# Altium PCB LoadWrover_HRD.PcbDoc
Units mm, origin at the board's own origin, x right, y up, seen from the top; angles counter-clockwise.
Board outline 62.7 x 50.9 mm, 2 copper layers (Top Layer, Bottom Layer); 77 components, 50 nets, 252 pads, 57 vias.
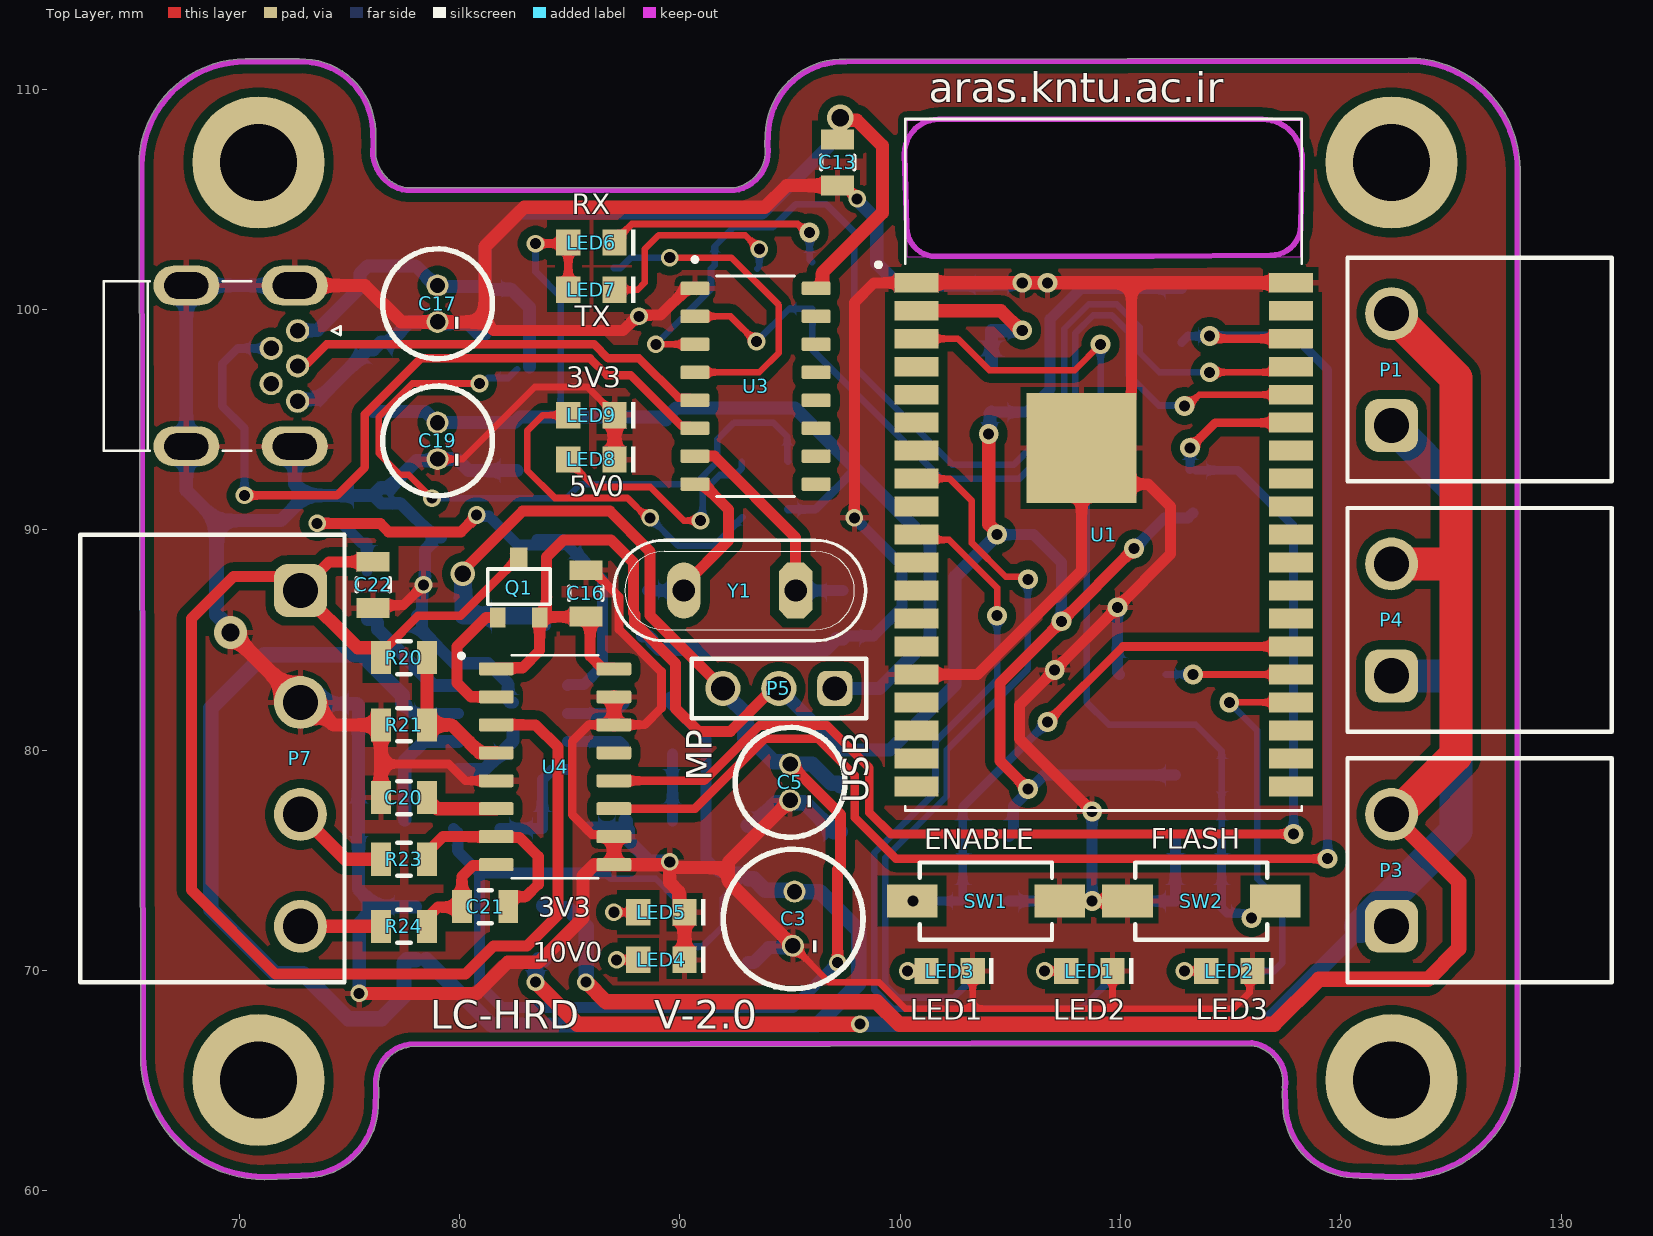
[diagram p0: Top Layer view]
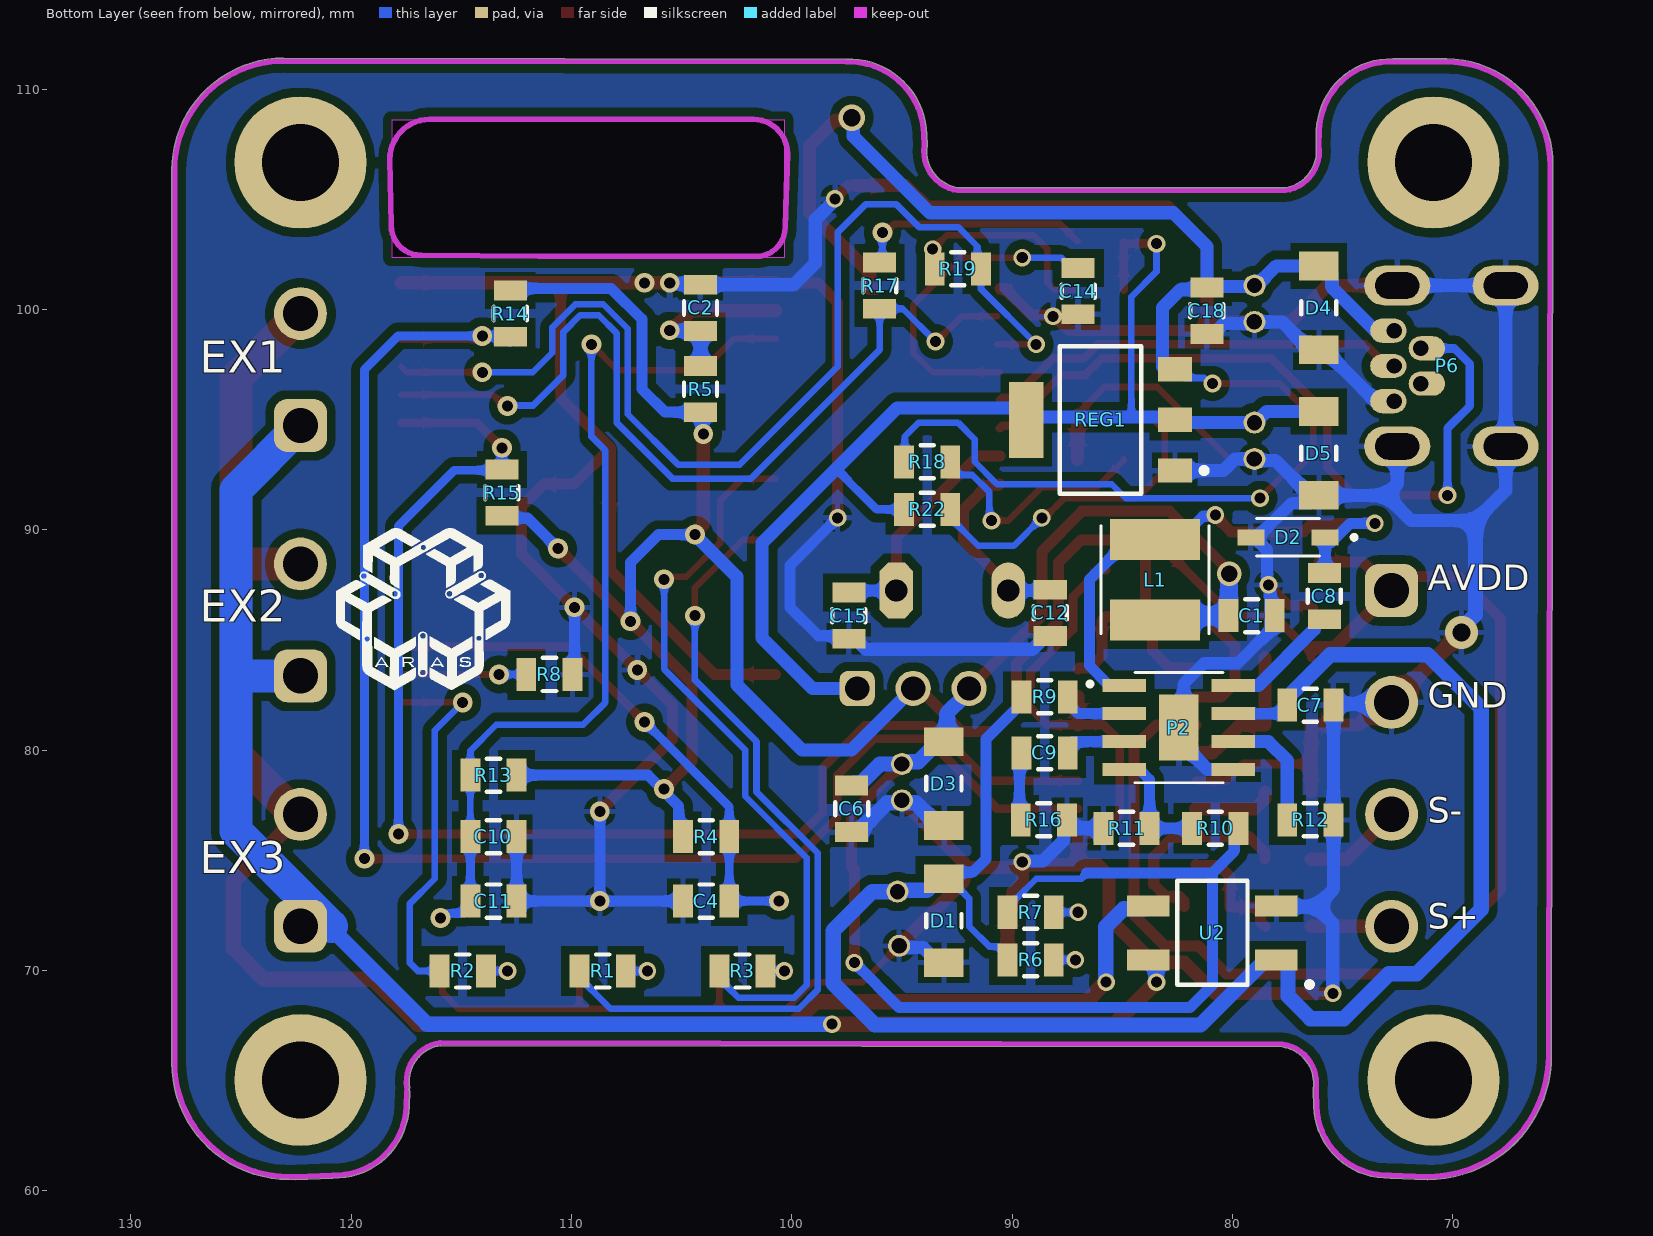
[diagram p1: Bottom Layer view, seen from below]
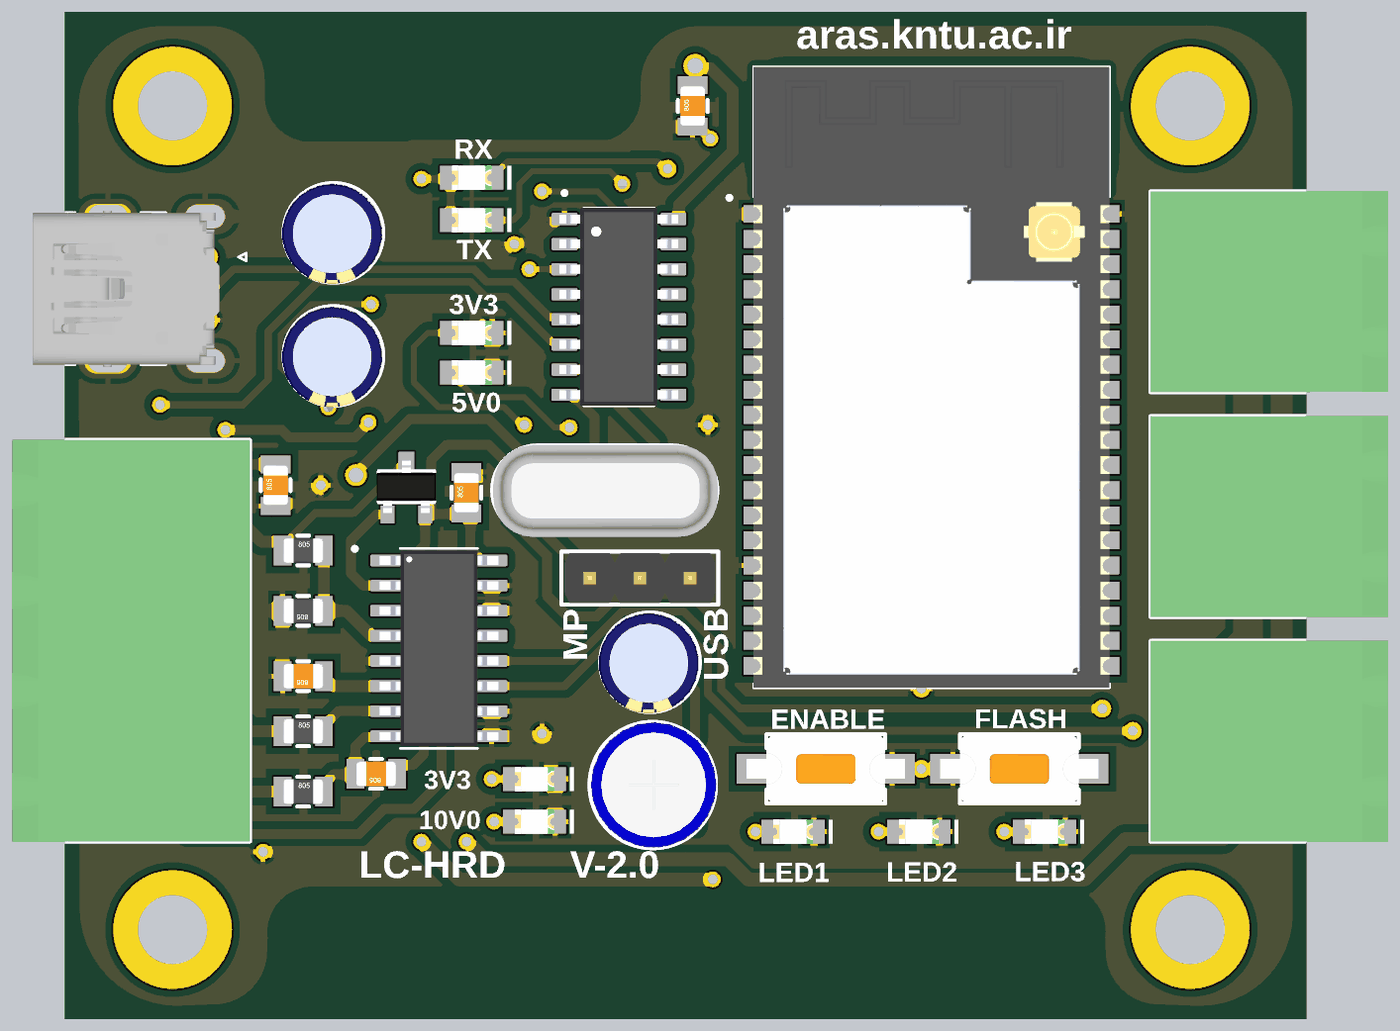
[diagram p2: 3D render of the assembled board from above, using the file's embedded part models]
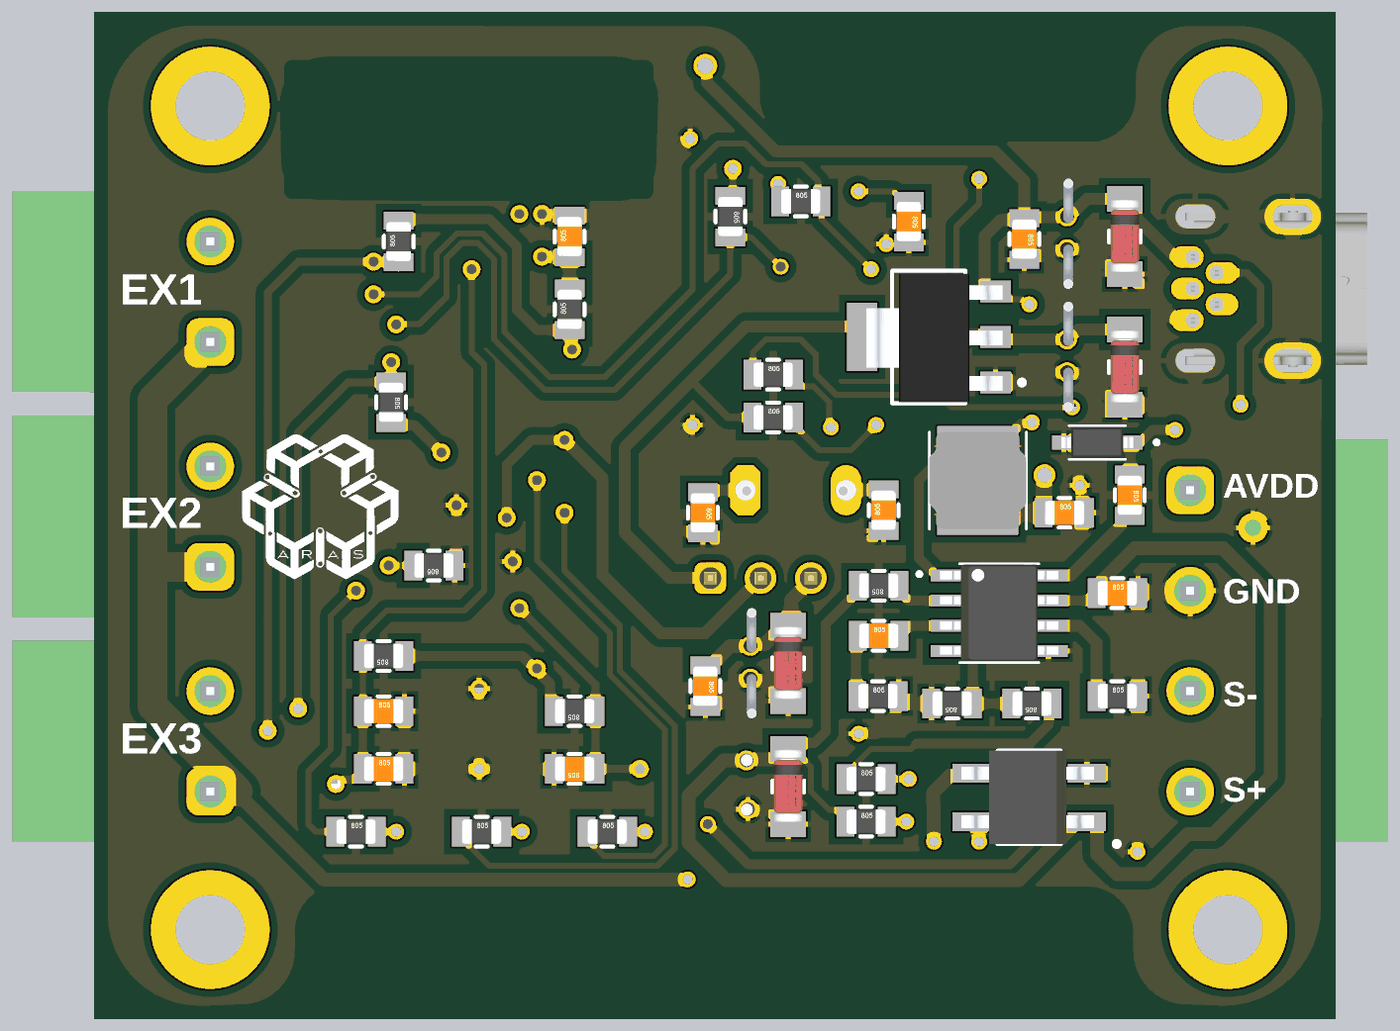
[diagram p3: 3D render of the assembled board from below, using the file's embedded part models]

## Layer stack, top to bottom
Top Solder: solder mask 0.0102, Solder Resist, Dk 3.5
Top Layer: signal copper 0.0356
Dielectric 1: dielectric 0.32, FR-4, Dk 4.8
Bottom Layer: signal copper 0.0356
Bottom Solder: solder mask 0.0102, Solder Resist, Dk 3.5

## Board outline
71.138,60.511 ccw(c71.138,60.638) 71.143,60.511 72.833,60.579 ccw(c72.937,63.947) 76.306,63.839 76.327,64.512 ccw(c76.201,64.516) 76.327,64.516 ccw(c76.2,64.516) 76.315,64.571 ccw(c76.2,64.626) 76.327,64.626 ccw(c76.2,64.626) 76.326,64.644 cw(c77.978,64.88) 77.733,66.531 115.942,66.594 cw(c115.697,64.943) 117.366,64.943 cw(c115.697,64.943) 117.349,64.707 ccw(c117.475,64.689) 117.382,64.603 ccw(c117.475,64.516) 117.348,64.512 117.369,63.839 ccw(c120.738,63.947) 120.842,60.579 122.531,60.511 122.532,60.511 cw(c122.621,62.89) 122.531,60.511 ccw(c122.537,60.643) 122.54,60.511 122.839,60.517 ccw(c122.838,65.823) 128.143,65.823 128.143,106.323 ccw(c123.051,106.323) 123.051,111.415 97.536,111.375 ccw(c97.536,111.258) 97.532,111.374 ccw(c97.518,111.249) 97.522,111.375 ccw(c97.408,107.836) 93.869,107.95 93.853,107.446 ccw(c93.98,107.442) 93.854,107.423 ccw(c93.834,107.421) 93.854,107.424 93.854,107.423 cw(c92.202,107.188) 93.871,107.188 cw(c92.202,107.188) 92.447,105.537 77.606,105.537 cw(c77.851,107.188) 76.199,107.422 cw(c76.691,107.353) 76.199,107.424 76.199,107.422 ccw(c76.073,107.442) 76.2,107.442 ccw(c76.079,107.441) 76.2,107.446 76.178,108.129 ccw(c72.819,108.021) 72.713,111.379 70.276,111.379 ccw(c70.276,106.547) 65.443,106.547 65.511,66.138 ccw(c71.138,66.139)

## Design rules (kind name [scope] priority, off if disabled: settings)
Clearance [All] p1: gap=0.2 ignorepadtopadclearanceinfootprint=FALSE except(0.4: Arc-Poly Track-Poly SMDPad-Poly THPad-Poly Via-Poly Fill-Poly Poly-Poly Poly-Region Poly-Text Poly-Hole)
PolygonConnect [All] p1: connectstyle=Relief reliefconductorwidth=0.254 reliefentries=4 polygonreliefangle="90 Angle" airgapwidth=0.254
RoutingVias [All] p1: holewidth=0.5 width=0.8 viastyle="Through Hole" minholewidth=0.5 minwidth=0.8 maxholewidth=1.5 maxwidth=2
SolderMaskExpansion [All] p1: expansion=0.102 istentingtop=FALSE
Width [All] p1: maxlimit=3 minlimit=0.3 preferedwidth=0.3
30 further rules are at their usual default settings.

## Components (designator, comment, footprint, x,y, rotation, side; value= is the part's Value field where it differs from the comment)
C1 "22uf" "SMD 805 CAP" 79.121,86.106 r180 bottom
C2 "100nF" "SMD 805 CAP" 104.14,100.076 r90 bottom
C3 "100UF" "MY_CAP_POL 6MM" 95.16,72.351 r270 top
C4 "100nF" "SMD 805 CAP" 103.886,73.152 r0 bottom
C5 "33uF-5mm" "MY_CAP_POL 5MM" 94.996,78.548 r270 top value=3300u
C6 "100uf" "SMD 805 CAP" 97.282,77.343 r270 bottom
C7 "10uf" "SMD 805 CAP" 76.454,82.042 r180 bottom
C8 "100nF" "SMD 805 CAP" 75.819,86.995 r270 bottom
C9 "220pf" "SMD 805 CAP" 88.519,79.883 r180 bottom
C10 "22uF" "SMD 805 CAP" 113.538,76.073 r180 bottom
C11 "100nF" "SMD 805 CAP" 113.538,73.152 r180 bottom
C12 "22pf" "SMD 805 CAP" 88.265,86.233 r90 bottom
C13 "10uf" "SMD 805 CAP" 97.155,106.68 r90 top
C14 "100nf" "SMD 805 CAP" 86.995,100.838 r270 bottom
C15 "22pf" "SMD 805 CAP" 97.409,86.106 r270 bottom
C16 "10uf" "SMD 805 CAP" 85.725,87.122 r90 top
C17 "47uF-5mm" "MY_CAP_POL 5MM" 78.994,100.268 r270 top value=3300u
C18 "1uF" "SMD 805 CAP" 81.153,99.949 r270 bottom
C19 "33uF-5mm" "MY_CAP_POL 5MM" 78.994,94.045 r270 top value=3300u
C20 "100nf" "SMD 805 CAP" 77.47,77.846 r180 top
C21 "100nf" "SMD 805 CAP" 81.153,72.898 r180 top
C22 "10uf" "SMD 805 CAP" 76.073,87.503 r90 top
D1 "MM 12V" MiniMelf 93.091,72.263 r90 bottom
D2 "1N5819HW-7-F" 1N5819HW-7-F 77.47,89.662 r0 bottom
D3 "MM 3.6V" MiniMelf 93.091,78.486 r90 bottom
D4 "MM 5.1V" MiniMelf 76.073,100.076 r90 bottom
D5 "MM 3.6V" MiniMelf 76.073,93.472 r90 bottom
L1 "10uH" Inductor-4*4*3 83.566,87.757 r270 bottom
LED1 "LED_SMD_0805" LED_0805 108.585,69.976 r180 top
LED2 "LED_SMD_0805" LED_0805 114.935,69.976 r180 top
LED3 "LED_SMD_0805" LED_0805 102.235,69.976 r180 top
LED4 "LED_SMD_0805" LED_0805 89.154,70.485 r180 top
LED5 "LED_SMD_0805" LED_0805 89.154,72.644 r180 top
LED6 "LED_SMD_0805" LED_0805 85.979,103.046 r180 top
LED7 "LED_SMD_0805" LED_0805 85.979,100.906 r180 top
LED8 "LED_SMD_0805" LED_0805 85.979,93.197 r180 top
LED9 "LED_SMD_0805" LED_0805 85.979,95.21 r180 top
P1 "691312510002" 691312510002 126.301,97.282 r90 top
P2 "MP1584EN" MP1584EN 82.423,81.026 r180 bottom
P3 "691312510002" 691312510002 126.301,74.549 r90 top
P4 "691312510002" 691312510002 126.301,85.915 r90 top
P5 "61300311121" 61300311121 94.488,82.804 r180 top
P6 "USB_Mini_Dip_Right" USB_MINI_Right 70.253,97.442 r270 top
P7 "691312510004" 691312510004 68.771,79.629 r270 top
Q1 "MMSS8550-H-TP" MY_SMD_TRANSISTOR 82.677,87.376 r270 top
R1 "680" "SMD 805" 108.585,69.978 r180 bottom
R2 "680" "SMD 805" 114.935,69.978 r180 bottom
R3 "680" "SMD 805" 102.235,69.978 r180 bottom
R4 "1k" "SMD 805" 103.886,76.073 r0 bottom
R5 "0" "SMD 805" 104.14,96.393 r90 bottom
R6 "1.8k" "SMD 805" 89.154,70.485 r180 bottom
R7 "680" "SMD 805" 89.154,72.644 r180 bottom
R8 "4.7k" "SMD 805" 110.998,83.439 r0 bottom
R9 "INF" "SMD 805" 88.519,82.423 r0 bottom
R10 "127k" "SMD 805" 80.772,76.454 r0 bottom
R11 "40.2k" "SMD 805" 84.802,76.454 r0 bottom
R12 "200k" "SMD 805" 76.454,76.835 r180 bottom
R13 "1k" "SMD 805" 113.538,78.867 r0 bottom
R14 "4.7k" "SMD 805" 112.776,99.822 r90 bottom
R15 "4.7k" "SMD 805" 113.157,91.694 r270 bottom
R16 "68.1k" "SMD 805" 88.553,76.835 r180 bottom
R17 "1k" "SMD 805" 96.012,101.092 r270 bottom
R18 "1k" "SMD 805" 93.853,93.091 r180 bottom
R19 "1k" "SMD 805" 92.456,101.854 r180 bottom
R20 "*" "SMD 805" 77.47,84.199 r0 top
R21 "*" "SMD 805" 77.47,81.15 r180 top
R22 "680" "SMD 805" 93.853,90.932 r180 bottom
R23 "100" "SMD 805" 77.47,75.05 r0 top
R24 "100" "SMD 805" 77.47,72.001 r0 top
REG1 "LD1117 3.3" MY_LD1117-3.3 86.106,94.996 r90 bottom
SW1 "BOOT" WS-TASV_L6W3.5H4.3_4341x10438x6 103.886,73.152 r180 top
SW2 "ENABLE" WS-TASV_L6W3.5H4.3_4341x10438x6 113.665,73.152 r0 top
U1 "ESP32-WROVER-I" ESP32-WROVER-I 108.056,90.237 r0 top locked
U2 "MB6S" MB6S 80.908,71.72 r0 bottom
U3 "CH340G" CH340G 93.428,96.52 r0 top
U4 "HX711" HX711 84.328,79.248 r0 top
Y1 "CRYSTAL" My_Crystal 92.71,87.249 r180 top

## Footprints (in the part's own frame and the unit in brackets; to place one, negate y for a bottom-side part, rotate by r counter-clockwise, add the part's x,y. Pads: shape width x height; smd on the part's side, far side on the other; paste and mask are expansions set on the pad)
1N5819HW-7-F [mm]
  rect 1.21x0.73 smd: A(1.68,0) C(-1.68,0)
  silkscreen extent -3.1,-0.85 1.43,0.85, body extent -1.83,-0.77 1.83,0.77, height 1.5
61300311121 [mm] "Pin Header, pitch 2.54 mm, THT, Vertical, single row, 3p"
  rrect50% 1.6x1.6 hole 1.1: 1(-2.54,0)
  round 1.6 hole 1.1: 2(0,0) 3(2.54,0)
  silkscreen extent -3.96,-1.35 3.96,1.35, body extent -3.81,-1.27 3.81,1.27, height 8.57
691312510002 [mm] "5,08mm - PCB Headers - Horizontal - Opened ends - 02p"
  rrect50% 2.4x2.4 hole 1.6: 1(-2.54,4)
  round 2.4 hole 1.6: 2(2.54,4)
  silkscreen extent -5.08,-6 5.08,6, body extent -5.08,-6 5.08,6, height 8.55
691312510004 [mm] "5,08mm - PCB Headers - Horizontal - Opened ends - 04p"
  rrect50% 2.4x2.4 hole 1.6: 1(-7.62,4)
  round 2.4 hole 1.6: 2(-2.54,4) 3(2.54,4) 4(7.62,4)
  silkscreen extent -10.16,-6 10.16,6, body extent -10.16,-6 10.16,6, height 8.55
CH340G [mm]
  rrect25% 1.31x0.62 smd: 1(-2.75,4.445) 2(-2.75,3.175) 3(-2.75,1.905) 4(-2.75,0.635) 5(-2.75,-0.635) 6(-2.75,-1.905) 7(-2.75,-3.175) 8(-2.75,-4.445) 9(2.75,-4.445) 10(2.75,-3.175) 11(2.75,-1.905) 12(2.75,-0.635) 13(2.75,0.635) 14(2.75,1.905) 15(2.75,3.175) 16(2.75,4.445)
  silkscreen extent -2.85,-5 1.78,5.85, body extent -3,-5 3,5, height 1.8
ESP32-WROVER-I [mm]
  rect 2x0.9 smd: 1(-7.327,10.982) 2(-7.327,9.712) 3(-7.327,8.442) 4(-7.327,7.172) 5(-7.327,5.902) 6(-7.327,4.632) 7(-7.327,3.362) 8(-7.327,2.092) 9(-7.327,0.822) 10(-7.327,-0.448) 11(-7.327,-1.718) 12(-7.327,-2.988) 13(-7.327,-4.258) 14(-7.327,-5.528) 15(-7.327,-6.798) 16(-7.327,-8.068) 17(-7.327,-9.338) 18(-7.327,-10.608) 19(-7.327,-11.878) 20(9.673,-11.878) 21(9.673,-10.608) 22(9.673,-9.338) 23(9.673,-8.068) 24(9.673,-6.798) 25(9.673,-5.528) 26(9.673,-4.258) 27(9.673,-2.988) 28(9.673,-1.718) 29(9.673,-0.448) 30(9.673,0.822) 31(9.673,2.092) 32(9.673,3.362) 33(9.673,4.632) 34(9.673,5.902) 35(9.673,7.172) 36(9.673,8.442) 37(9.673,9.712) 38(9.673,10.982)
  rect 5x5 smd paste-1.835 mask-1.835: 39(0.173,3.482)
  Keep-Out Layer board cut-out: -7.75,12.142 -7.75,18.365 10.11,18.365 10.11,12.142
  Keep-Out Layer lines w0.254: -7.863,16.841 cw(c-6.301,16.841) -6.301,18.403 8.373,18.403 cw(c8.373,16.584) 10.193,16.584 10.125,13.588 cw(c8.768,13.588) 8.768,12.23 3.432,12.18 -0.292,12.18 -6.445,12.18 cw(c-6.445,13.489) -7.754,13.489 -7.863,16.841
  silkscreen extent -9.15,-12.98 10.17,18.42, body extent -7.83,-12.98 10.17,18.42, height 3.4
HX711 [mm]
  rrect25% 1.58x0.59 smd: 1(-2.67,4.445) 2(-2.67,3.175) 3(-2.67,1.905) 4(-2.67,0.635) 5(-2.67,-0.635) 6(-2.67,-1.905) 7(-2.67,-3.175) 8(-2.67,-4.445) 9(2.67,-4.445) 10(2.67,-3.175) 11(2.67,-1.905) 12(2.67,-0.635) 13(2.67,0.635) 14(2.67,1.905) 15(2.67,3.175) 16(2.67,4.445)
  silkscreen extent -4.35,-5.06 1.95,5.13, body extent -3,-4.95 3,4.95, height 1.6
Inductor-4*4*3 [mm]
  rect 1.85x4.1 smd: 1(-1.805,0.061) 2(1.845,0.061)
  silkscreen extent -2.43,-2.39 2.47,2.51, body extent -2.43,-2.39 2.47,2.51, height 4
LED_0805 [mm]
  rect 1.1x1.2 smd: 1(-1.05,0) 2(1.05,0)
  silkscreen extent -2,-0.6 -1.8,0.6, body extent -1,-0.63 1,0.62, height 0.7
MB6S [mm]
  rect 1.925x0.95 smd: 1(-2.912,1.235) 2(-2.912,-1.215) 3(2.912,-1.215) 4(2.912,1.235)
  silkscreen extent -4.42,-2.35 1.6,2.37, body extent -3.27,-2.35 3.43,2.37, height 2.9
MiniMelf [mm]
  rect 1.3x1.8 smd: 1(-1.905,0) 2(1.905,0)
  silkscreen extent -0.3,-0.8 0.3,0.8, body extent -1.82,-0.8 1.88,0.8, height 1.6
MP1584EN [mm]
  rect 1.97x0.6 smd: 1(-2.475,1.905) 2(-2.475,0.635) 3(-2.475,-0.635) 4(-2.475,-1.905) 5(2.475,-1.905) 6(2.475,-0.635) 7(2.475,0.635) 8(2.475,1.905)
  rect 1.8x3 smd paste-3: 9(0,0)
  silkscreen extent -4.14,-2.5 2,2.5, body extent -3,-2.43 3,2.47, height 1.7
"MY_CAP_POL 5MM" [mm]
  round 1 hole 0.7: +(-0.827,0) -(0.827,0)
  silkscreen extent -2.49,-2.49 2.49,2.49, body extent -2.74,-2.6 2.84,2.48, height 11.7
"MY_CAP_POL 6MM" [mm]
  round 1 hole 0.7: +(-1.231,0.037) -(1.231,-0.037)
  silkscreen extent -3.15,-3.19 3.19,3.15, body extent -3.17,-3.15 3.19,3.2, height 11.53
My_Crystal [mil]
  oct 60x100 hole 40: 1(-100,0)
  oval 60x100 hole 40: 2(100,0)
  silkscreen extent -225,-90 225,90, body extent -225,-90 222,93, height 150
MY_LD1117-3.3 [mm]
  rect 1.1x1.55 smd: 1(-2.3,-3.502) 2(0,-3.502) 3(2.3,-3.502)
  rect 3.45x1.55 smd: 4(0,3.248)
  silkscreen extent -3.35,-4.95 3.35,1.72, body extent -3.3,-3.85 3.2,3.05, height 1.6